# Altium PCB pcb.PcbDoc
Units mm, origin at the board's own origin, x right, y up, seen from the top; angles counter-clockwise.
Board outline 200 x 100 mm, 2 copper layers (Top Layer, Bottom Layer); 10 components, 72 nets, 462 pads, 0 vias.
Unrouted connection lines stored in the file: 198.
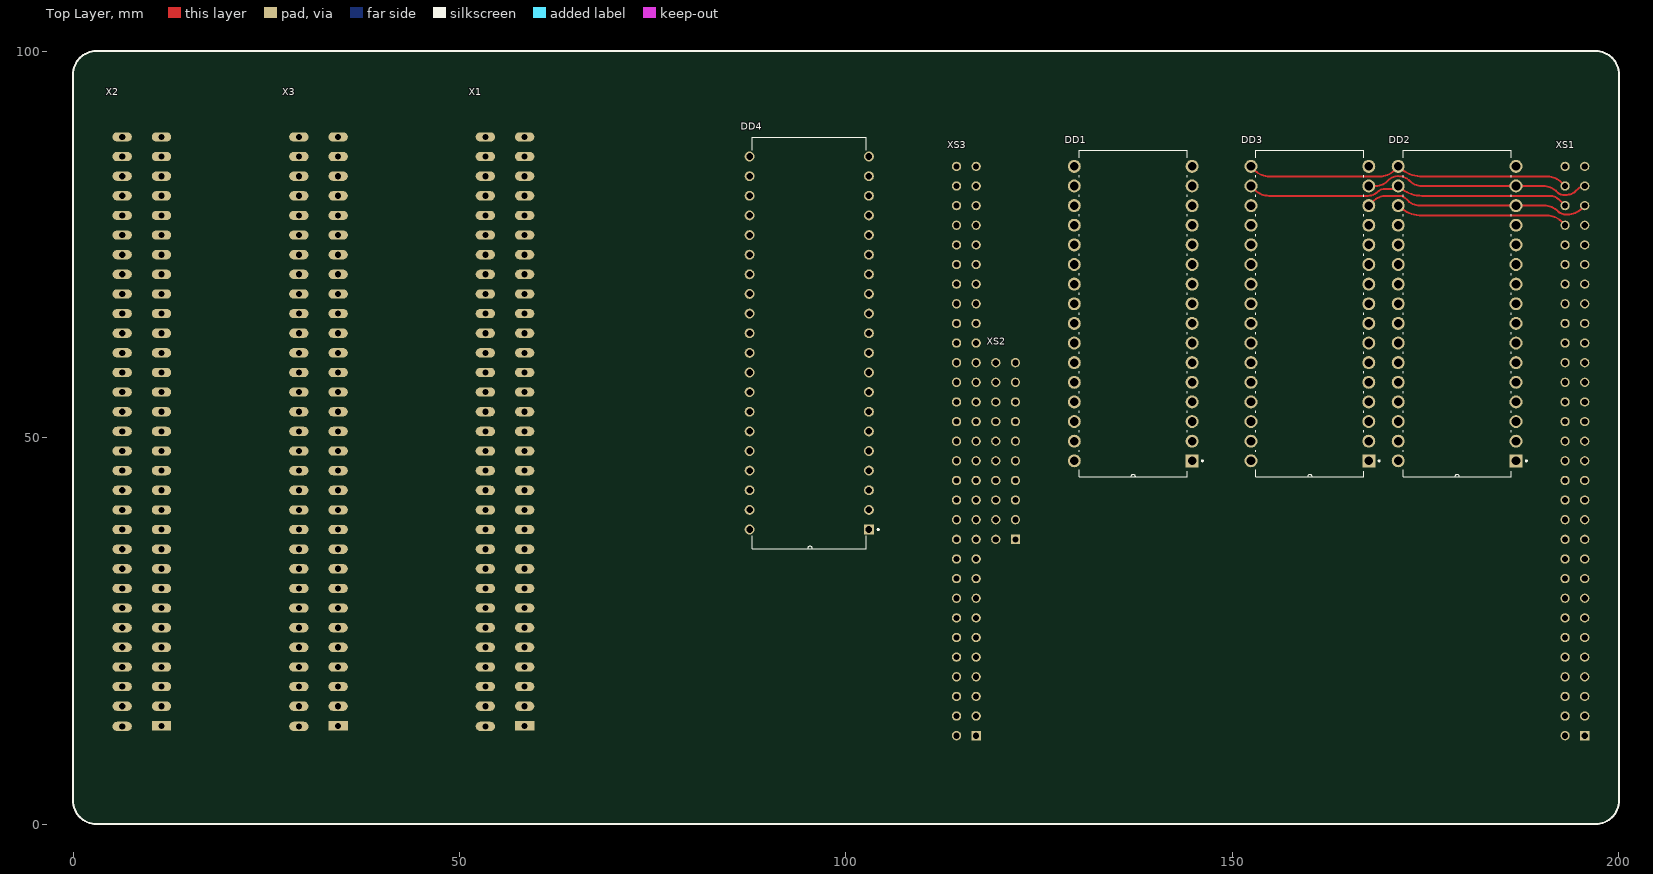
[diagram p0: Top Layer view]
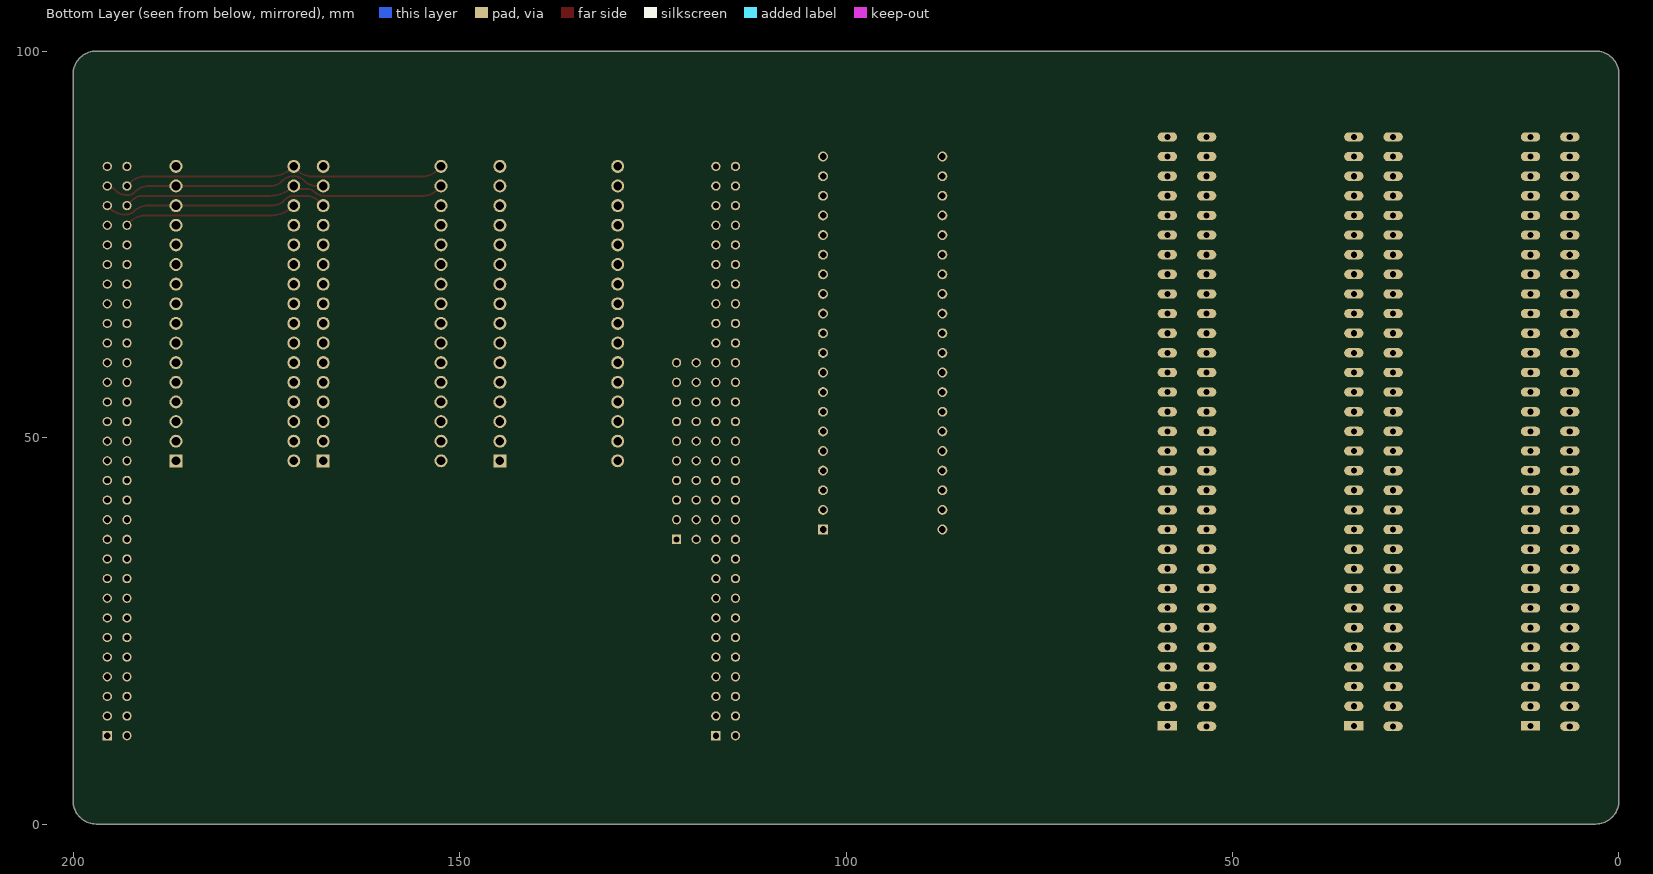
[diagram p1: Bottom Layer view, seen from below]

## Layer stack, top to bottom
Top Solder: solder mask 0.0102, Solder Resist, Dk 3.5
Top Layer: signal copper 0.0356
Dielectric 1: dielectric 0.32, FR-4, Dk 4.8
Bottom Layer: signal copper 0.0356
Bottom Solder: solder mask 0.0102, Solder Resist, Dk 3.5

## Board outline
3,0 cw(c3,3) 0,3 0,97 cw(c3,97) 3,100 197,100 cw(c197,97) 200,97 200,3 cw(c197,3) 197,0

## Design rules (kind name [scope] priority, off if disabled: settings)
Clearance [All] p1: gap=0.254 ignorepadtopadclearanceinfootprint=FALSE except(0: Arc-Hole Track-Hole SMDPad-Hole THPad-Hole Via-Hole Fill-Hole Poly-Hole Region-Hole Text-Hole; 0.2: Arc-Arc Arc-Track Arc-SMDPad Track-Track Track-SMDPad SMDPad-SMDPad THPad-THPad)
ComponentClearance [All] p1: gap=0.01 collisioncheckmode=3 verticalgap=0.01 showdistances=FALSE
Height [All] p1: minheight=0 maxheight=50 prefheight=12.7
PolygonConnect [All] p1: connectstyle=Relief reliefconductorwidth=0.254 reliefentries=4 polygonreliefangle="90 Angle" airgapwidth=0.254
RoutingVias [All] p1: holewidth=0.2 width=0.4 viastyle="Through Hole" minholewidth=0.2 minwidth=0.4 maxholewidth=0.2 maxwidth=0.4
SolderMaskExpansion [All] p1: expansion=0.102
Width [All] p1: maxlimit=0.254 minlimit=0.2 preferedwidth=0.254 minimp=50.000000 maximp=50.000000 favimp=50.000000
28 further rules are at their usual default settings.

## Components (designator, comment, footprint, x,y, rotation, side; value= is the part's Value field where it differs from the comment)
DD1 "AM29F040B" DIP254P1524X482-32 129.54,85.09 r180 top
DD2 "HM628512ALP-7" DIP254P1524X482-32 171.45,85.09 r180 top
DD3 "HM628512ALP-7" DIP254P1524X482-32 152.4,85.09 r180 top
DD4 "Z80" DIP1540W47P254L5320H635Q40B 95.25,62.23 r180 top
X1 "Bus_SL62" SL62 58.42,12.7 r180 top
X2 "Bus_SL62" SL62 11.43,12.7 r180 top
X3 "Bus_SL62" SL62 34.29,12.7 r180 top
XS1 "IGP_HAT_XS1" IGP_HAT_XS_60PIN 194.31,48.26 r180 top
XS2 "IGP_HAT_XS2" IGP_HAT_XS_20PIN 120.65,48.26 r180 top
XS3 "IGP_HAT_XS3" IGP_HAT_XS_60PIN 115.57,48.26 r180 top

## Footprints (in the part's own frame and the unit in brackets; to place one, negate y for a bottom-side part, rotate by r counter-clockwise, add the part's x,y. Pads: shape width x height; smd on the part's side, far side on the other; paste and mask are expansions set on the pad)
DIP254P1524X482-32 [mil]
  rect 66x66 hole 44: 1(-600,1500)
  round 66 hole 44: 2(-600,1400) 3(-600,1300) 4(-600,1200) 5(-600,1100) 6(-600,1000) 7(-600,900) 8(-600,800) 9(-600,700) 10(-600,600) 11(-600,500) 12(-600,400) 13(-600,300) 14(-600,200) 15(-600,100) 16(-600,0) 17(0,0) 18(0,100) 19(0,200) 20(0,300) 21(0,400) 22(0,500) 23(0,600) 24(0,700) 25(0,800) 26(0,900) 27(0,1000) 28(0,1100) 29(0,1200) 30(0,1300) 31(0,1400) 32(0,1500)
  silkscreen extent -657,-82 -25,1582, body extent -645,-49 49,1549, height 377
DIP1540W47P254L5320H635Q40B [mm]
  rect 1.28x1.28 hole 0.85: 1(-7.718,24.13)
  round 1.28 hole 0.85: 2(-7.718,21.59) 3(-7.718,19.05) 4(-7.718,16.51) 5(-7.718,13.97) 6(-7.718,11.43) 7(-7.718,8.89) 8(-7.718,6.35) 9(-7.718,3.81) 10(-7.718,1.27) 11(-7.718,-1.27) 12(-7.718,-3.81) 13(-7.718,-6.35) 14(-7.718,-8.89) 15(-7.718,-11.43) 16(-7.718,-13.97) 17(-7.718,-16.51) 18(-7.718,-19.05) 19(-7.718,-21.59) 20(-7.718,-24.13) 21(7.718,-24.13) 22(7.718,-21.59) 23(7.718,-19.05) 24(7.718,-16.51) 25(7.718,-13.97) 26(7.718,-11.43) 27(7.718,-8.89) 28(7.718,-6.35) 29(7.718,-3.81) 30(7.718,-1.27) 31(7.718,1.27) 32(7.718,3.81) 33(7.718,6.35) 34(7.718,8.89) 35(7.718,11.43) 36(7.718,13.97) 37(7.718,16.51) 38(7.718,19.05) 39(7.718,21.59) 40(7.718,24.13)
  silkscreen extent -9.02,-26.6 7.35,26.6, body extent -8.85,-26.2 8.85,26.2, height 9.06
IGP_HAT_XS_20PIN [mm]
  rect 1.2x1.2 hole 0.8: 1(-1.27,11.43)
  round 1.2 hole 0.8: 2(-1.27,8.89) 3(-1.27,6.35) 4(-1.27,3.81) 5(-1.27,1.27) 6(-1.27,-1.27) 7(-1.27,-3.81) 8(-1.27,-6.35) 9(-1.27,-8.89) 10(-1.27,-11.43) 11(1.27,-11.43) 12(1.27,-8.89) 13(1.27,-6.35) 14(1.27,-3.81) 15(1.27,-1.27) 16(1.27,1.27) 17(1.27,3.81) 18(1.27,6.35) 19(1.27,8.89) 20(1.27,11.43)
  body extent -2.52,-12.95 2.48,12.95, height 5.2
IGP_HAT_XS_60PIN [mm]
  rect 1.2x1.2 hole 0.8: 1(-1.27,36.83)
  round 1.2 hole 0.8: 2(-1.27,34.29) 3(-1.27,31.75) 4(-1.27,29.21) 5(-1.27,26.67) 6(-1.27,24.13) 7(-1.27,21.59) 8(-1.27,19.05) 9(-1.27,16.51) 10(-1.27,13.97) 11(-1.27,11.43) 12(-1.27,8.89) 13(-1.27,6.35) 14(-1.27,3.81) 15(-1.27,1.27) 16(-1.27,-1.27) 17(-1.27,-3.81) 18(-1.27,-6.35) 19(-1.27,-8.89) 20(-1.27,-11.43) 21(-1.27,-13.97) 22(-1.27,-16.51) 23(-1.27,-19.05) 24(-1.27,-21.59) 25(-1.27,-24.13) 26(-1.27,-26.67) 27(-1.27,-29.21) 28(-1.27,-31.75) 29(-1.27,-34.29) 30(-1.27,-36.83) 31(1.27,-36.83) 32(1.27,-34.29) 33(1.27,-31.75) 34(1.27,-29.21) 35(1.27,-26.67) 36(1.27,-24.13) 37(1.27,-21.59) 38(1.27,-19.05) 39(1.27,-16.51) 40(1.27,-13.97) 41(1.27,-11.43) 42(1.27,-8.89) 43(1.27,-6.35) 44(1.27,-3.81) 45(1.27,-1.27) 46(1.27,1.27) 47(1.27,3.81) 48(1.27,6.35) 49(1.27,8.89) 50(1.27,11.43) 51(1.27,13.97) 52(1.27,16.51) 53(1.27,19.05) 54(1.27,21.59) 55(1.27,24.13) 56(1.27,26.67) 57(1.27,29.21) 58(1.27,31.75) 59(1.27,34.29) 60(1.27,36.83)
  body extent -2.52,-38.35 2.48,38.35, height 5.2
SL62 [mm]
  rect 2.5x1.2 hole 0.8: 1(0,0)
  oval 2.5x1.2 hole 0.8: 2(0,-2.54) 3(0,-5.08) 4(0,-7.62) 5(0,-10.16) 6(0,-12.7) 7(0,-15.24) 8(0,-17.78) 9(0,-20.32) 10(0,-22.86) 11(0,-25.4) 12(0,-27.94) 13(0,-30.48) 14(0,-33.02) 15(0,-35.56) 16(0,-38.1) 17(0,-40.64) 18(0,-43.18) 19(0,-45.72) 20(0,-48.26) 21(0,-50.8) 22(0,-53.34) 23(0,-55.88) 24(0,-58.42) 25(0,-60.96) 26(0,-63.5) 27(0,-66.04) 28(0,-68.58) 29(0,-71.12) 30(0,-73.66) 31(0,-76.2) 32(5.08,0.07) 33(5.08,-2.54) 34(5.08,-5.08) 35(5.08,-7.62) 36(5.08,-10.16) 37(5.08,-12.7) 38(5.08,-15.24) 39(5.08,-17.78) 40(5.08,-20.32) 41(5.08,-22.86) 42(5.08,-25.4) 43(5.08,-27.94) 44(5.08,-30.48) 45(5.08,-33.02) 46(5.08,-35.56) 47(5.08,-38.1) 48(5.08,-40.64) 49(5.08,-43.18) 50(5.08,-45.72) 51(5.08,-48.26) 52(5.08,-50.8) 53(5.08,-53.34) 54(5.08,-55.88) 55(5.08,-58.42) 56(5.08,-60.96) 57(5.08,-63.5) 58(5.08,-66.04) 59(5.08,-68.58) 60(5.08,-71.12) 61(5.08,-73.66) 62(5.08,-76.2)
  body extent -2.26,-80.77 7.21,4.57, height 16.13

## Part data
DD2 DD3: "512Kx8 Static RAM"

## Nets (pads, with @x,y where several pads share a name; then routed paths per layer and width w, separated by ;. In a path a pad name is that pad's centre, name@x,y a point inside that pad or via, vN(x,y) a via of type N, cw(c..) or ccw(c..) an arc to the next point about the centre after c; other vN are vias at no path point)
14M: XS1.4
+5V: DD2.32 DD3.32 DD4.11 XS1.1 XS1.2 XS1.59 XS1.60
A0: DD1.12 DD4.30 X1.40 X2.40 X3.40
A1: DD1.11 DD4.31 X1.41 X2.41 X3.41
A2: DD1.10 DD4.32 X1.42 X2.42 X3.42
A3: DD1.9 DD4.33 X1.43 X2.43 X3.43
A4: DD1.8 DD4.34 X1.55 X2.55 X3.55
A5: DD1.7 DD4.35 X1.54 X2.54 X3.54
A6: DD1.6 DD4.36 X1.53 X2.53 X3.53
A7: DD1.5 DD4.37 X1.52 X2.52 X3.52
A8: DD1.27 DD4.38 X1.26 X2.26 X3.26
A9: DD1.26 DD4.39 X1.58 X2.58 X3.58
A10: DD1.23 DD4.40 X1.27 X2.27 X3.27
A11: DD1.25 DD4.1 X1.59 X2.59 X3.59
A12: DD1.4 DD4.2 X1.33 X2.33 X3.33
A13: DD1.28 DD4.3 X1.2 X2.2 X3.2
A14: DD4.4 X1.32 X2.32 X3.32
A15: DD4.5 X1.1 X2.1 X3.1
BSRQ: DD4.25 X1.50 X2.50 X3.50
BUSA: DD4.23
CLK: DD4.6 X1.39 X2.39 X3.39
D0: DD1.13 DD4.14 X1.6 X2.6 X3.6
D1: DD1.14 DD4.15 X1.7 X2.7 X3.7
D2: DD1.15 DD4.12 X1.8 X2.8 X3.8
D3: DD1.17 DD4.8 X1.11 X2.11 X3.11
D4: DD1.18 DD4.7 X1.12 X2.12 X3.12
D5: DD1.19 DD4.9 X1.10 X2.10 X3.10
D6: DD1.20 DD4.10 X1.9 X2.9 X3.9
D7: DD1.21 DD4.13 X1.3 X2.3 X3.3
GND: DD1.16 DD2.16 DD2.24 DD3.16 DD3.24 DD4.29 XS1.3 XS1.30 XS1.31 XS1.58 XS3.1 XS3.60
HLT: DD4.18 X1.15 X2.15 X3.15
INT: DD4.16 X1.13 X2.13 X3.13
IORQ: DD4.20 X1.17 X2.17 X3.17
M1: DD4.27 X1.24 X2.24 X3.24
MA0: DD2.12 DD3.12 XS1.26
MA1: DD2.11 DD3.11 XS1.25
MA2: DD2.10 DD3.10 XS1.24
MA3: DD2.9 DD3.9 XS1.23
MA4: DD2.8 DD3.8 XS1.22
MA5: DD2.7 DD3.7 XS1.21
MA6: DD2.6 DD3.6 XS1.20
MA7: DD2.5 DD3.5 XS1.19
MA8: DD2.27 DD3.27 XS1.42
MA9: DD2.26 DD3.26 XS1.41
MA10: DD2.23 DD3.23 XS1.39
MA11: DD2.25 DD3.25 XS1.40
MA12: DD2.4 DD3.4 XS1.18
MA13: DD2.28 DD3.28 XS1.43
MA14: DD2.3 DD3.3 XS1.17
MA15: DD2.31 DD3.31 XS1.46
MA16: DD2.2 DD3.2 XS1.16
MA17: DD2.30 DD3.30 XS1.45
MA18: DD2.1 DD3.1
MCS0: DD2.22 XS1.37
MCS1: DD3.22 XS1.38
MD0: DD2.13 DD3.13 XS1.27
MD1: DD2.14 DD3.14 XS1.28 | length 29.4
  Top Layer w0.254: DD3.14 168.166,80.536 cw(c169.962,78.74) 169.962,81.28 171.45,81.28 cw(c171.45,79.747) 172.534,80.831 172.72,80.645 ccw(c174.253,82.178) 174.253,80.01 DD2.14 190.337,80.01 cw(c190.337,77.47) 192.133,79.266 ccw(c193.096,80.229) 193.096,78.867 193.385,78.867 ccw(c193.385,81.407) 195.181,79.611 XS1.28
MD2: DD2.15 DD3.15 XS1.29 | length 29.3
  Top Layer w0.254: DD3.15 168.52,82.55 ccw(c168.52,84.718) 170.053,83.185 170.149,83.281 cw(c171.45,81.98) 171.45,83.82 cw(c171.45,81.674) 172.968,83.191 ccw(c174.515,84.738) 174.515,82.55 DD2.15 190.192,82.55 cw(c190.192,80.01) 191.988,81.806 192.133,81.661 ccw(c192.746,82.274) 192.746,81.407 193.294,81.407 ccw(c193.294,82.94) 194.378,81.856 194.713,82.191 cw(c195.58,81.324) XS1.29
MD3: DD2.17 DD3.17 XS1.32 | length 42.3
  Top Layer w0.254: DD3.17 152.977,84.513 ccw(c154.773,86.309) 154.773,83.769 169.077,83.769 ccw(c169.077,86.309) 170.873,84.513 DD2.17 ccw(c174.639,88.279) 174.639,83.769 190.769,83.769 cw(c190.769,81.229) 192.565,83.025 XS1.32
MD4: DD2.18 DD3.18 XS1.33 | length 42.1
  Top Layer w0.254: DD3.18 152.926,82.024 ccw(c154.722,83.82) 154.722,81.28 167.552,81.28 ccw(c167.552,83.026) 168.786,81.791 cw(c169.698,80.879) 169.698,82.169 170.53,82.169 ccw(c170.53,83.47) DD2.18 ccw(c174.516,85.616) 174.516,81.28 187.561,81.28 ; 187.632,81.28 191.03,81.28 cw(c191.03,79.493) 192.293,80.757 XS1.33
MD5: DD2.19 DD3.19 XS1.34 | length 22.3
  Top Layer w0.254: DD2.19 ccw(c174.516,83.076) 174.516,78.74 190.718,78.74 cw(c190.718,76.2) 192.514,77.996 XS1.34
MD6: DD2.20 DD3.20 XS1.35
MD7: DD2.21 DD3.21 XS1.36
MREQ: DD4.19 X1.16 X2.16 X3.16
MWE: DD2.29 DD3.29 XS1.44
NMI: DD4.17 X1.14 X2.14 X3.14
RD: DD4.21 X1.18 X2.18 X3.18
RES: DD4.26 X1.51 X2.51 X3.51
RESET: XS1.5
RFSH: DD4.28 X1.25 X2.25 X3.25
WAIT: DD4.24 X1.21 X2.21 X3.21
WR: DD4.22 X1.19 X2.19 X3.19
pads on no net: DD1.1 DD1.2 DD1.3 DD1.22 DD1.24 DD1.29 DD1.30 DD1.31 DD1.32 X1.4 X1.5 X1.20 X1.22 X1.23 X1.28 X1.29 X1.30 X1.31 X1.34 X1.35 X1.36 X1.37 X1.38 X1.44 X1.45 X1.46 X1.47 X1.48 X1.49 X1.56 X1.57 X1.60 X1.61 X1.62 X2.4 X2.5 X2.20 X2.22 X2.23 X2.28 X2.29 X2.30 X2.31 X2.34 X2.35 X2.36 X2.37 X2.38 X2.44 X2.45 X2.46 X2.47 X2.48 X2.49 X2.56 X2.57 X2.60 X2.61 X2.62 X3.4 X3.5 X3.20 X3.22 X3.23 X3.28 X3.29 X3.30 X3.31 X3.34 X3.35 X3.36 X3.37 X3.38 X3.44 X3.45 X3.46 X3.47 X3.48 X3.49 X3.56 X3.57 X3.60 X3.61 X3.62 XS1.6 XS1.7 XS1.8 XS1.9 XS1.10 XS1.11 XS1.12 XS1.13 XS1.14 XS1.15 XS1.47 XS1.48 XS1.49 XS1.50 XS1.51 XS1.52 XS1.53 XS1.54 XS1.55 XS1.56 XS1.57 XS2.1 XS2.2 XS2.3 XS2.4 XS2.5 XS2.6 XS2.7 XS2.8 XS2.9 XS2.10 XS2.11 XS2.12 XS2.13 XS2.14 XS2.15 XS2.16 XS2.17 XS2.18 XS2.19 XS2.20 XS3.2 XS3.3 XS3.4 XS3.5 XS3.6 XS3.7 XS3.8 XS3.9 XS3.10 XS3.11 XS3.12 XS3.13 XS3.14 XS3.15 XS3.16 XS3.17 XS3.18 XS3.19 XS3.20 XS3.21 XS3.22 XS3.23 XS3.24 XS3.25 XS3.26 XS3.27 XS3.28 XS3.29 XS3.30 XS3.31 XS3.32 XS3.33 XS3.34 XS3.35 XS3.36 XS3.37 XS3.38 XS3.39 XS3.40 XS3.41 XS3.42 XS3.43 XS3.44 XS3.45 XS3.46 XS3.47 XS3.48 XS3.49 XS3.50 XS3.51 XS3.52 XS3.53 XS3.54 XS3.55 XS3.56 XS3.57 XS3.58 XS3.59

## Silkscreen, mask and mechanical layers (free items; w line width, h text height)
Top Overlay:
  the board outline again, w0.254